# Altium PCB keyboard.PcbDoc (continued)
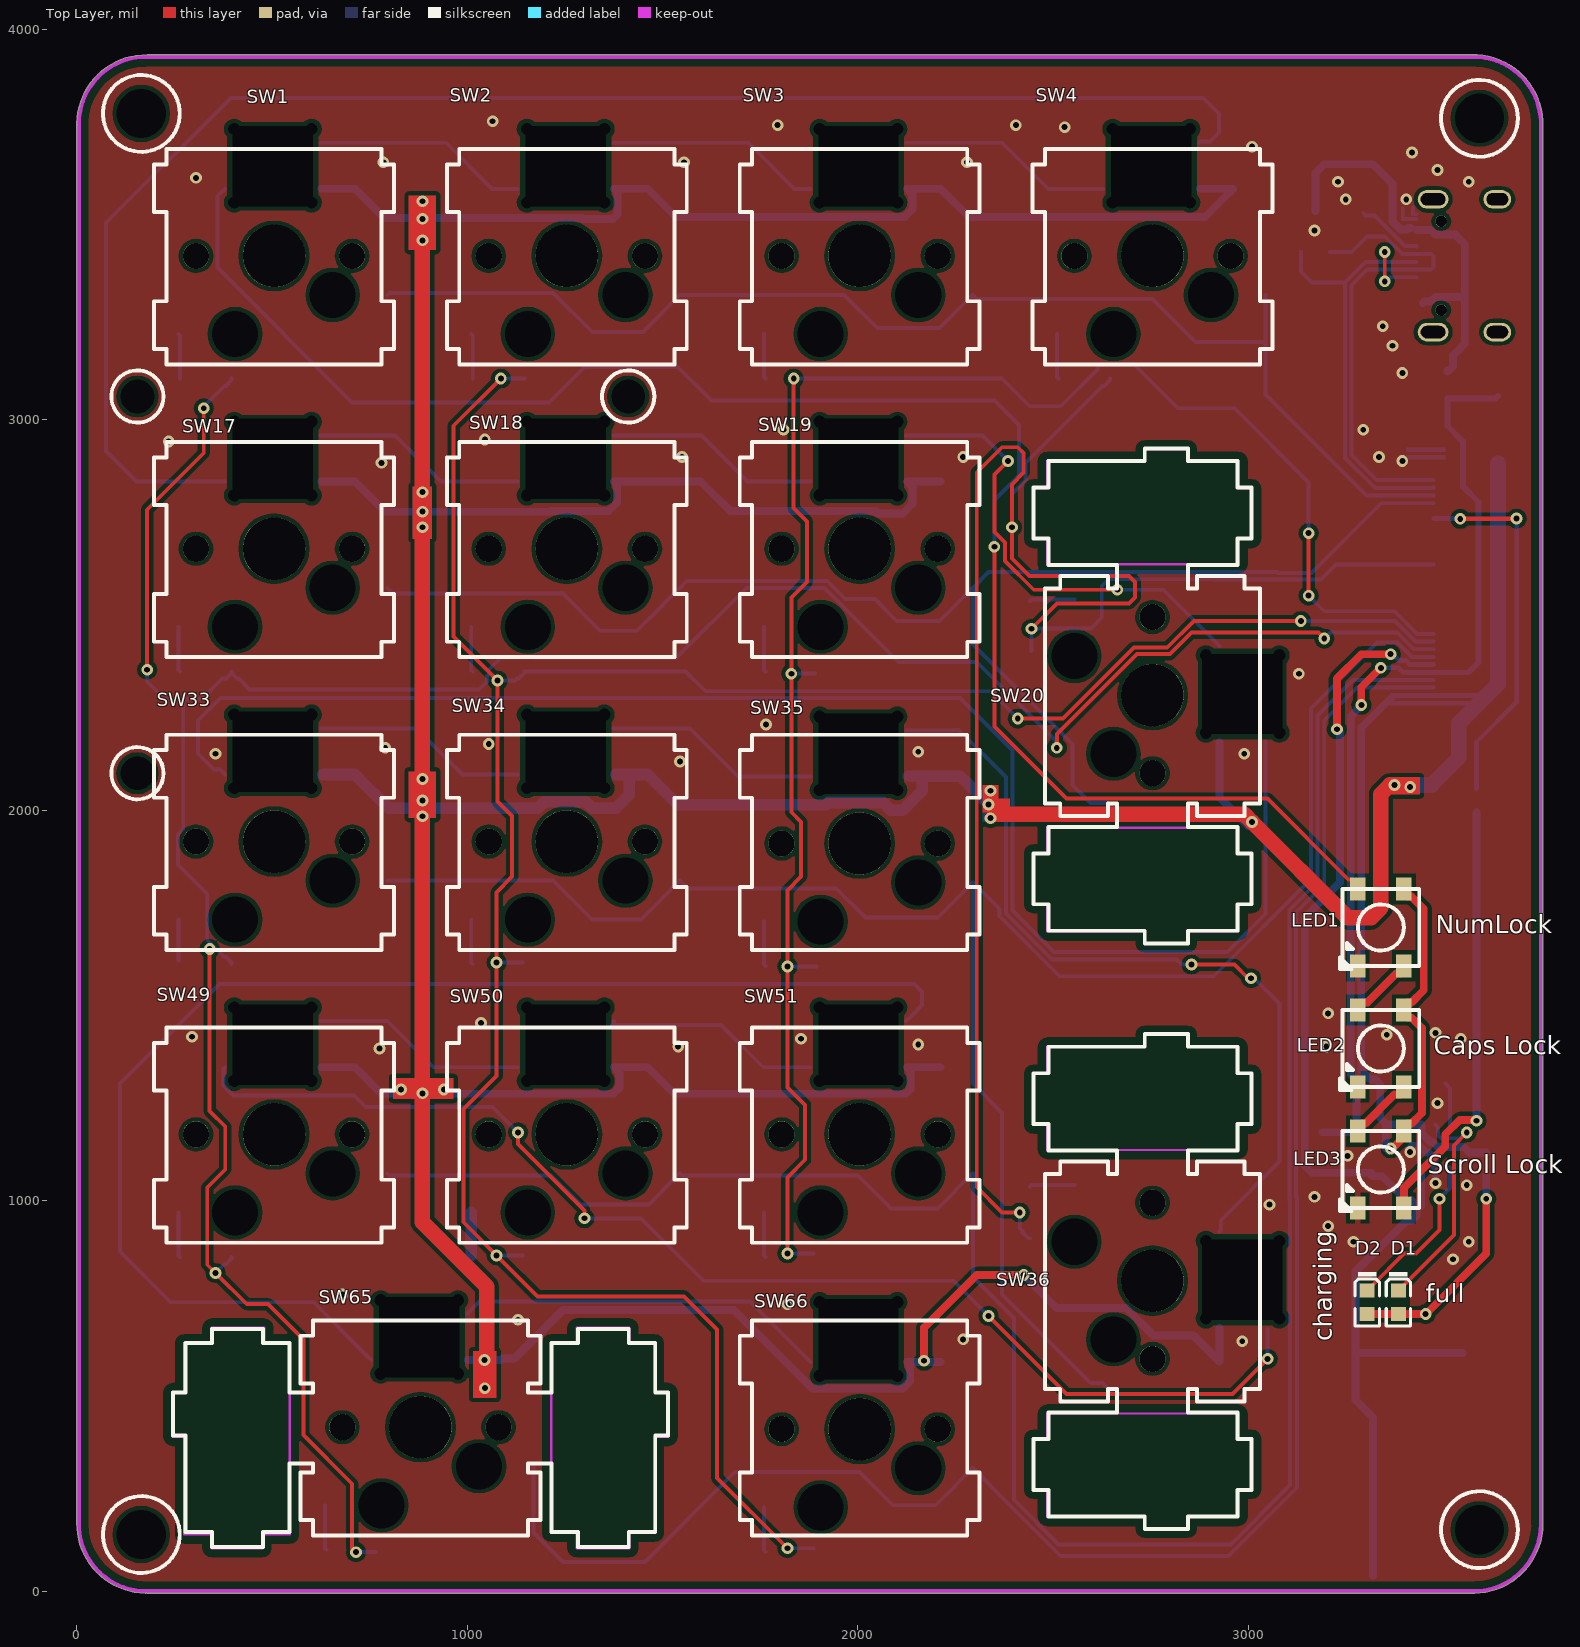
[diagram p0: Top Layer view]
## Part data
C1 C2: library part "1206 10uF (106) 10% 50V", "贴片电容", Package=1206, SuppliersPartNumber=C13585, ComponentLink1Description=¹©Ó, ComponentLink1URL=http://www.szlcsc.com/product/details_14236.html, Supplier=LC
D1: library part "0603 绿灯", "发光二极管", Package=0603, SuppliersPartNumber=C72043, ComponentLink1Description=¹©Ó, ComponentLink1URL=http://www.szlcsc.com/product/details_73152.html, Supplier=LC
D2: library part "0603 红灯", "发光二极管", Package=0603, SuppliersPartNumber=C2286, ComponentLink1Description=¹©Ó, ComponentLink1URL=http://www.szlcsc.com/product/details_2659.html, Supplier=LC
D3: "肖特基二极管", Manufacturer=VISHAY(威?, Part Number=RP02.06.000015, LatestRevisionDate=09-Feb-2017, LatestRevisionNote="SCHlib build", PackageDescription=SMB, Publisher=ChenYinaho
D6: "TVS阵列", Manufacturer=--, Part Number=RP02.15.000006, LatestRevisionDate=09-Feb-2017, LatestRevisionNote="SCHlib build", Manufacturer Part Number=SRV05-4, PackageDescription=SOT23-6, Publisher=ChenYinaho
F1: library part Fuse_500mA, "自恢复保险", Part Number=NEW, LatestRevisionDate=09-Feb-2017, LatestRevisionNote="SCHlib build", Publisher=ChenYinaho
FPC1: BOM_Manufacturer=JUSHUO, BOM_Manufacturer Part=AFC07-S36ECC-00, BOM_Supplier=LCSC, BOM_Supplier Part=C262254, Contributor=LCSC, spicePre=F
LED1 LED2 LED3: BOM_LCSC Assembly=Yes, BOM_Manufacturer=Worldsemi, BOM_Manufacturer Part=WS2812E, BOM_Supplier=LCSC, BOM_Supplier Part=C139127, Contributor=LCSC, SMT Type=Extend, spicePre=L
P1 P2: library part CON2T_90_1, "卧贴座 1.25/2p", Part Number=RP02.07.000177, LatestRevisionDate=09-Feb-2017, LatestRevisionNote="SCHlib build", Publisher=ChenYinaho
Q1: "MOS(场效应管)", Package=SOT-23, SuppliersPartNumber=C15127, ComponentLink1Description=¹©Ó, ComponentLink1URL=http://www.szlcsc.com/product/details_15801.html, Supplier=LC
R1: library part "0603 1.5KΩ (1501) 1%", "贴片电阻", Package=0603, SuppliersPartNumber=C22843, ComponentLink1Description=¹©Ó, ComponentLink1URL=http://www.szlcsc.com/product/details_23570.html, Supplier=LC
R2: library part "0603 200Ω (2000) 1%", "贴片电阻", Package=0603, SuppliersPartNumber=C8218, ComponentLink1Description=¹©Ó, ComponentLink1URL=http://www.szlcsc.com/product/details_8708.html, Supplier=LC
R3: library part "0603 1KΩ (1001) 1%", "贴片电阻", Package=0603, SuppliersPartNumber=C21190, ComponentLink1Description=¹©Ó, ComponentLink1URL=http://www.szlcsc.com/product/details_21904.html, Supplier=LC
R4: library part "0603 100Ω (1000) 1%", "贴片电阻", Package=0603, SuppliersPartNumber=C22775, ComponentLink1Description=¹©Ó, ComponentLink1URL=http://www.szlcsc.com/product/details_23502.html, Supplier=LC
R5: library part "0603 5.1KΩ (5101) 1%", "贴片电阻", Package=0603, SuppliersPartNumber=C23186, ComponentLink1Description=¹©Ó, ComponentLink1URL=http://www.szlcsc.com/product/details_23913.html, Supplier=LC
R6: library part "0603 10KΩ (1002) 1%", "贴片电阻", Package=0603, SuppliersPartNumber=C25804, ComponentLink1Description=¹©Ó, ComponentLink1URL=http://www.szlcsc.com/product/details_26547.html, Supplier=LC
SW1 SW2 SW3 SW4 SW17 SW18 SW19 SW20 SW33 SW34 SW35 SW36 SW49 SW50 SW51 SW65 SW66: library part MX_SW-6, "with Fixation pins  1-Pole w/Diode"
U1: BOM_LCSC Assembly=Yes, BOM_Manufacturer=TOPPOWER, BOM_Manufacturer Part=TP4057, BOM_Supplier=LCSC, BOM_Supplier Part=C12044, image=//image.lceda.cn/szlcsc/C12044.jpg, SMT Type=Basic, spicePre=U
USBC1: BOM_Manufacturer="Rectangular Connectors - Contacts", BOM_Manufacturer Part=TYPE-C-31-M-12, BOM_Supplier=LCSC, BOM_Supplier Part=C165948, Contributor=LCSC, spicePre=U

## Free pads (board coordinates)
  round 0 hole 86.61 unplated: hole(155,2095) hole(155,3060) hole(1412.2,3060)
  round 0 hole 125.98 unplated: hole(165,145) hole(165,3785) hole(3592.52,157.48) hole(3592.52,3772.52)

## Via types
v1: diameter 30, hole 15, Top Layer to Bottom Layer, tented both sides, 131 vias

## Nets (pads, with @x,y where several pads share a name; then routed paths per layer and width w, separated by ;. In a path a pad name is that pad's centre, name@x,y a point inside that pad or via, vN(x,y) a via of type N, cw(c..) or ccw(c..) an arc to the next point about the centre after c; other vN are vias at no path point)
col0: FPC1.27 SW1.4 SW17.4 SW33.4 SW49.4 SW65.4 | length 7330.4
  Top Layer w10: v1(180,2360) 180,2770 325,2915 v1(325,3030) ; v1(340,1645) 340,1230 380,1190 380,1080 333.94,1033.94 333.94,836.06 v1(355,815) 435,735 490,735 580,645 580,400 705,275 705,110 v1(715,100) ; v1(2510,2160) 2510,2195 2715,2400 2800,2400 2855,2455 3180,2455 v1(3195,2440)
  Bottom Layer w10: v1(180,2360) 180,2330 225,2285 272.5,2285 ; v1(325,3030) 325,3034.86 377.52,3087.38 381.46,3087.38 396.14,3102.06 SW1.4 ; v1(355,815) 355.14,815 377.52,837.38 381.46,837.38 396.14,852.06 SW49.4 ; SW33.4 396.14,1609.94 381.46,1624.62 377.52,1624.62 333.94,1668.2 333.94,1786.06 259.5,1860.5 259.5,1938.85 272.5,1951.85 272.5,2285 ; SW17.4 SW17.4@396.14,2352.06 ; v1(715,100) SW65.4@765.14,100 ; v1(2510,2160) 2510,2175 2305,2380 2105,2380 1915,2570 1715,2570 1535,2390 1172.42,2390 1170.8,2391.62 1086.62,2391.62 1055,2360 1055,2348.18 1050.5,2343.68 1050.5,2330.5 1030,2310 442.14,2310 414.76,2337.38 410.83,2337.38 SW17.4@396.14,2352.06 ; v1(3195,2440) 3195.86,2440 3210.86,2455 3381.92,2455 3424.32,2412.6 FPC1.27 ; 272.5,2285 320,2285 372.38,2337.38 381.46,2337.38 SW17.4@396.14,2352.06
col1: FPC1.26 SW2.4 SW18.4 SW34.4 SW50.4 SW66.4 | length 6566.4
  Top Layer w10: v1(1086,3106) 965,2985 965,2445 v1(1077.5,2332.5) 1077.5,2022.5 1115,1985 1115,1830 1075,1790 v1(1075,1610) 1075,1320 990,1235 990,945 v1(1075,860) 1180,755 1555,755 1640,670 1640,290 v1(1820,110) ; v1(2410,2235) 2525.96,2235 2707.96,2417 2792.96,2417 2860.96,2485 v1(3135,2485)
  Bottom Layer w10: v1(1075,860) SW50.4@1142.14,860 ; v1(1075,1610) SW34.4@1142.14,1610 ; v1(1077.5,2332.5) 1122.64,2332.5 1127.52,2337.38 1131.46,2337.38 SW18.4@1146.14,2352.06 ; v1(1086,3106) SW2.4 ; SW18.4 1559,2356 1610,2305 2340,2305 v1(2410,2235) ; v1(1820,110) SW66.4@1887.14,110 ; v1(3135,2485) 3375.96,2485 3428.66,2432.3 FPC1.26
col2: FPC1.25 SW3.4 SW19.4 SW35.4 SW51.4 | length 4707.5
  Top Layer w10: v1(1820,865) 1820,1060 1865,1105 1865,1245 1820,1290 v1(1820,1600) 1820,1795 1855,1830 1855,1970 1830,1995 v1(1830,2350) 1830,2545 1870,2585 1870,2740 1836,2774 v1(1836,3106) ; v1(3155,2550) v1(3155,2710)
  Bottom Layer w10: v1(1820,865) SW51.4@1887.14,865 ; v1(1820,1600) SW35.4@1895.14,1600 ; v1(1830,2350) SW19.4@1890.14,2350 ; v1(1836,3106) SW3.4 2369,3106 2440,3035 2520,3035 2614.46,3129.46 2614.46,3134.59 2621.49,3141.62 2708.38,3141.62 2820,3030 2965,3030 3155,2840 v1(3155,2710) ; v1(3155,2550) 3195,2510 3375,2510 3433,2452 FPC1.25
col3: FPC1.16 SW4.4 SW20.4 SW36.4 | length 4850.5
  Top Layer w10: v1(2415,970) 2370,970 2305,1035 2305,2865 2370,2930 2410,2930 2425,2915 2425,2865 2395,2835 v1(2395,2725) 2395,2645 2440,2600 2695,2600 2710,2585 2710,2545 2695,2530 2510,2530 v1(2445,2465)
  Bottom Layer w10: v1(2395,2725) 2395,2810 2430,2845 2430,2889.86 2627.52,3087.38 2631.46,3087.38 2646.14,3102.06 SW4.4 ; v1(2415,970) 2415,929.86 2422.38,922.48 2422.38,918.54 2437.06,903.86 SW36.4 ; SW20.4@2445,2407.86 v1(2445,2465) v1@2446.06,2465 ; v1@2446.06,2466.06 2597.44,2466.06 2625,2493.62 2625,2575 2642,2592 2913.87,2592 2914.87,2591 3186.74,2591 3224.94,2629.2 FPC1.16
col4: FPC1.17
col5: FPC1.18
col6: FPC1.19
col7: FPC1.20
col8: FPC1.21
col9: FPC1.22
col10: FPC1.24
col11: FPC1.23
col12: FPC1.15
col13: FPC1.14
col14: FPC1.13
col15: FPC1.12
GND: C1.1 C2.1 D6.2 FPC1.1 FPC1.2 LED1.3 LED2.3 LED3.3 P1.2 P2.2 R1.1 R5.1 R6.1 SW1.7 SW2.7 SW3.7 SW4.7 SW17.7 SW18.7 SW19.7 SW20.7 SW33.7 SW34.7 SW35.7 SW36.7 SW49.7 SW50.7 SW51.7 SW65.7 SW66.7 U1.2 USBC1.A1 USBC1.A12 USBC1.B1 USBC1.B12 | length 239.4
  Bottom Layer w10: 3396.13,3542.8 3396.13,3515.08 USBC1.B12 ; 3422.38,3545 3422.38,3526.89 USBC1.A1
  Bottom Layer w20: v1@3410,1130 3420,1140 3439.43,1140 3455.89,1123.54 3461.45,1123.54 3478.19,1106.8 3478.19,1086.69 U1.2 v1(3480,1045)
  other v1: 2985,640 2270,645 1130,695 1820,735 680,760 3525,850 3270,895 3565,895 3205,935 3055,990 3170,1010 3560,1040 3255,1115 3415,1125 3485,1250 775,1390 1540,1395 3200,1395 2155,1400 1855,1415 3545,1415 295,1420 3355,1425 3480,1430 1035,1455 3205,1480 1545,2125 355,2145 2990,2145 2155,2150 790,2160 1055,2170 1765,2220 3130,2350 780,2890 3395,2895 1550,2905 2270,2905 3335,2905 235,2945 1045,2950 1810,2975 3295,2975 3395,3120 3370,3190 3345,3240 3170,3485 3250,3565 3405,3565 3230,3610 3565,3610 305,3620 3485,3640 785,3660 1555,3660 2280,3660 3420,3685 3010,3700 2530,3750 1795,3755 2405,3755 1065,3765
NetD1_A: D1.A D2.A R3.2 | length 569
  Top Layer w20: D2.A D1.A v1(3454.68,709.68) 3610,865 v1(3610,1005)
  Bottom Layer w20: v1(3610,1005) R3.2
NetD1_K: D1.K U1.5 | length 590.7
  Top Layer w10: D1.K 3385.98,770.31 3399.29,783.62 3399.29,784.61 3527,912.31 3527,1142 v1(3560,1175)
  Bottom Layer w10: U1.5 3486.81,1188.31 3486.81,1167.47 3494.28,1160 3544.14,1160 3559.14,1175 v1(3560,1175)
NetD2_K: D2.K U1.1 | length 420.9
  Top Layer w10: D2.K 3305.98,770.31 3319.29,783.62 3319.29,784.61 3399.69,865 3430,865 3490,925 v1(3490,1005)
  Bottom Layer w10: v1(3490,1005) 3517.4,1032.4 U1.1
NetLED1_4: LED1.4 LED2.2 | length 176.5
  Top Layer w20: LED2.2 3280.95,1498.27 3290.63,1507.95 3305.43,1507.95 3379.52,1582.05 3389.37,1582.05 3399.05,1591.73 LED1.4
NetLED2_4: LED2.4 LED3.2 | length 176.5
  Top Layer w20: LED3.2 3280.95,1188.27 3290.63,1197.95 3300.48,1197.95 3374.57,1272.05 3389.37,1272.05 3399.05,1281.73 LED2.4
NetLED3_4: LED3.4 R4.1 | length 1118.2
  Top Layer w20: LED3.4 3399.05,1032.8 3505,1138.75 3505,1170 3542,1207 3573.25,1207 3573.34,1206.91 3583.09,1206.91 v1(3585,1205)
  Bottom Layer w20: v1(3585,1205) R4.1
NetR1_2: R1.2 R2.1 | length 70
  Bottom Layer w10: R2.1 R1.2
NetR2_2: R2.2 U1.6 | length 109.9
  Bottom Layer w10: R2.2 3517.4,1287.91 U1.6
NetR5_2: R5.2 USBC1.A5 | length 172.1
  Bottom Layer w10: R5.2 3301,3523.68 3323.43,3523.68 3402,3445.12 3430.82,3445.12 USBC1.A5
NetSW1_2: SW1.2 SW1.3 | length 115.6
  Bottom Layer w10: SW1.2 263.86,3216.14 SW1.3
NetSW1_6: SW1.6 SW2.8 | length 553.9
  Bottom Layer w10: SW1.6 945,3710 1063,3592 SW2.8
NetSW2_2: SW2.2 SW2.3 | length 115.6
  Bottom Layer w10: SW2.2 1013.86,3216.14 SW2.3
NetSW2_6: SW2.6 SW3.8 | length 553.9
  Bottom Layer w10: SW2.6 1720,3710 1838,3592 SW3.8
NetSW3_2: SW3.2 SW3.3 | length 115.6
  Bottom Layer w10: SW3.2 1760,3109.86 SW3.3
NetSW3_6: SW3.6 SW4.8 | length 553.9
  Bottom Layer w10: SW3.6 2370,3710 2488,3592 SW4.8
NetSW4_2: SW4.2 SW4.3 | length 115.6
  Bottom Layer w10: SW4.2 2510,3109.86 SW4.3
NetSW4_6: SW4.6 SW17.8 | length 4032.5
  Bottom Layer w10: SW17.8 153,2842 75,2920 75,3505 395,3825 2885,3825 2925.86,3784.14 2925.86,3735.86 2902.83,3712.83 2876.83,3712.83 SW4.6
NetSW17_2: SW17.2 SW17.3 | length 115.6
  Bottom Layer w10: SW17.2 260,2359.86 SW17.3
NetSW17_6: SW17.6 SW18.8 | length 553.9
  Bottom Layer w10: SW17.6 815,2960 933,2842 SW18.8
NetSW18_2: SW18.2 SW18.3 | length 115.6
  Bottom Layer w10: SW18.2 1010,2359.86 SW18.3
NetSW18_6: SW18.6 SW19.8 | length 553.9
  Bottom Layer w10: SW18.6 1600,2960 1718,2842 SW19.8
NetSW19_2: SW19.2 SW19.3 | length 115.6
  Bottom Layer w10: SW19.2 1760,2359.86 SW19.3
NetSW19_6: SW19.6 SW20.8 | length 1209.9
  Top Layer w10: v1(2385,2895) 2350,2860 2350,2713.18 2377,2686.18 2377,2638.96 2450.96,2565 v1(2665,2565)
  Bottom Layer w10: SW19.6 2320,2960 v1(2385,2895) ; v1(2665,2565) 2783,2565 2912.31,2435.69 SW20.8
NetSW20_2: SW20.2 SW20.3 | length 115.6
  Bottom Layer w10: SW20.3 2444.86,2540 SW20.2
NetSW20_6: SW20.6 SW33.8 | length 3926.4
  Bottom Layer w10: SW33.8 366.71,2104.29 350.71,2104.29 310,2145 310,2230 368,2288 2262,2288 2397,2153 2397,1743 2503,1637 2947,1637 3045,1735 SW20.6
NetSW33_2: SW33.2 SW33.3 | length 105
  Bottom Layer w10: SW33.3@260,1615 SW33.2
NetSW33_6: SW33.6 SW34.8 | length 553.9
  Bottom Layer w10: SW33.6 870,2210 988,2092 SW34.8
NetSW34_2: SW34.2 SW34.3 | length 115.6
  Bottom Layer w10: SW34.2 1010,1609.86 SW34.3
NetSW34_6: SW34.6 SW35.8 | length 555.9
  Bottom Layer w10: SW34.6 1570,2210 1693,2087 SW35.8
NetSW35_2: SW35.2 SW35.3 | length 115.6
  Bottom Layer w10: SW35.2 1760,1604.86 SW35.3
NetSW35_6: SW35.6 SW36.8 | length 2087.8
  Top Layer w10: v1(2855,1605) 2965,1605 v1@3000,1570
  Bottom Layer w10: SW35.6 2260,2205 2380,2085 2380,1735.96 2497.96,1618 2817,1618 2830,1605 v1@2845,1605 ; SW36.8 2929.83,923.83 2929.83,949.83 3080,1100 3080,1505 3015,1570 v1@3000,1570
  other v1: 3007.5,1570
NetSW36_2: SW36.2 SW36.3 | length 115.6
  Bottom Layer w10: SW36.3 2444.86,1040 SW36.2
NetSW36_6: SW36.6 SW49.8 | length 3192.8
  Top Layer w10: v1(1130,1175) 1130,1145 1300,975 v1(1300,955) ; v1(2335,705) 2535,505 2960,505 v1(3050,595)
  Bottom Layer w10: SW49.8 375.25,1338.25 375.25,1295.51 400.76,1270 710,1270 740,1240 1065,1240 v1(1130,1175) ; v1(1300,955) 1445,955 1605,795 2245,795 v1(2335,705) ; v1(3050,595) SW36.6@3050,671
NetSW49_2: SW49.2 SW49.3 | length 115.6
  Bottom Layer w10: SW49.2 260,859.86 SW49.3
NetSW49_6: SW49.6 SW50.8 | length 553.9
  Bottom Layer w10: SW49.6 795,1460 913,1342 SW50.8
NetSW50_2: SW50.2 SW50.3 | length 110.1
  Bottom Layer w30: SW50.3@1010,859.86 SW50.2
NetSW50_6: SW50.6 SW51.8 | length 565
  Bottom Layer w10: SW50.6 1374,1453.7 1370.3,1450 1650,1450 1758,1342 SW51.8
NetSW51_2: SW51.2 SW51.3 | length 115.6
  Bottom Layer w10: SW51.2 1760,859.86 SW51.3
NetSW51_6: SW51.6 SW65.8 | length 3450
  Bottom Layer w10: SW65.8 739.31,606.69 606,740 240,740 110,870 110,1300 365,1555 2145,1555 2165,1535 2165,1501 2138.69,1474.69 SW51.6
NetSW65_2: SW65.2 SW65.3 | length 115.6
  Bottom Layer w10: SW65.2 635,109.86 SW65.3
NetSW65_6: SW65.6 SW66.8 | length 957.5
  Bottom Layer w10: SW65.6 1031,742 1724,742 SW66.8
NetSW66_2: SW66.2 SW66.3 | length 115.6
  Bottom Layer w10: SW66.2 1760,104.86 SW66.3
PC0: FPC1.31 SW49.1 SW50.1 SW51.1 | length 5675.9
  Bottom Layer w10: SW49.1 800,1065 1215,1065 1290,990 1465,990 1499.8,1024.8 1499.8,1025.79 1544.02,1070 SW50.1 1550,1065 2000,1065 2085,980 2205,980 2249.8,1024.8 2249.8,1025.79 2294.02,1070 SW51.1 2295,805 2400,700 2400,234.04 2514.04,120 2955.96,120 3107.75,271.79 3107.75,1000.52 3106,1002.27 3106,1745.04 3178,1817.04 3178,2243 3268.9,2333.9 FPC1.31
PC1: FPC1.32 SW65.1 SW66.1 | length 4803.3
  Bottom Layer w10: SW65.1 1170,150 1245,75 1455,75 1685,305 2005,305 2090,220 2200,220 2249.8,269.8 2249.8,270.79 2294.02,315 SW66.1 2295.98,315 2340.2,270.79 2340.2,269.8 2520,90 2950,90 3124.75,264.75 3124.75,1007.56 3123,1009.31 3123,1738 3195,1810 3195,2230 3279.2,2314.2 FPC1.32
PC2: FPC1.35
PC3: FPC1.36
PC6: FPC1.28 SW33.1 SW34.1 SW35.1 SW36.1 | length 5053.6
  Bottom Layer w10: SW33.1 1220,1820 1320,1720 1445,1720 1499.8,1774.8 1499.8,1775.79 1544.02,1820 SW34.1 1565,1800 1945,1800 2020,1725 2205,1725 2249.8,1769.8 2249.8,1770.79 2294.02,1815 SW35.1 ; SW36.1 2626.65,533.35 2596.65,533.35 2370,760 2370,1225 2295,1300 SW35.1 ; FPC1.28 3419.93,2392.95 3382.88,2430 3330,2430 3161,2261 3161,1824.08 2911.92,1575 2516.92,1575 2363,1728.92 2363,1747.98 2295.98,1815 SW35.1
PC10: FPC1.8 SW17.1 SW18.1 SW19.1 SW20.1 | length 3688.9
  Bottom Layer w10: SW17.1 810,2555 1245,2555 1340,2460 1435,2460 1499.8,2524.8 1499.8,2525.79 1544.02,2570 SW18.1 1562,2587 1922.04,2587 1967.99,2541.06 2043.94,2541.06 2100,2485 2210,2485 2249.8,2524.8 2249.8,2525.79 2294.02,2570 SW19.1 ; SW20.1 2641.65,2018.35 2596.65,2018.35 2550,2065 2550,2170 2295,2425 SW19.1 ; FPC1.8 3340.69,2786.65 3162.04,2608 3077.02,2608 3075.02,2610 2335,2610 SW19.1
PC11: FPC1.7 SW1.1 SW2.1 SW3.1 SW4.1 | length 3246.5
  Bottom Layer w10: SW1.1 800,3325 1220,3325 1320,3225 1450,3225 1499.8,3274.8 1499.8,3275.79 1544.02,3320 SW2.1 1965,3320 2050,3235 2210,3235 2249.8,3274.8 2249.8,3275.79 2294.02,3320 SW3.1 2305,3310 2755,3310 2865,3200 3045,3200 ; SW4.1 3045,3200 ; FPC1.7 3303.7,2806.3 3045,3065 3045,3200
RGB: LED1.2 SW1.8 | length 4411.7
  Top Layer w10: v1(2350,2675) 2350,2215 2535,2030 3049.38,2030 3256.42,1822.95 3266.26,1822.95 3280.95,1808.27 LED1.2
  Bottom Layer w10: SW1.8 364.31,3577.32 360,3573 360,3390 705,3045 1210,3045 1300,3135 1540,3135 1625,3050 2350,3050 2413,2987 2413,2858 2350,2795 v1(2350,2675)
RGB_CTL: FPC1.10 R4.2 | length 946.5
  Top Layer w12: v1(3543.5,2746.5) 3686.9,2746.5 v1(3687.7,2747.3)
  Bottom Layer w12: FPC1.10 v1@3542.7,2747.3 ; R4.2 3585,2175 3687.7,2277.7 v1(3687.7,2747.3)
USB_DM: D6.1 FPC1.5 USBC1.A7 USBC1.B7 | length 1231.4
  Bottom Layer w10: D6.1 3265.51,3430.51 3305,3470 3350,3470 3395.47,3424.53 USBC1.B7 3469.14,3424.53 3475,3418.67 3475,3390.86 3469.14,3385 3431.88,3385 USBC1.A7 3431.56,3385 3305,3385 3265,3345 3265,2910 3329.3,2845.7 FPC1.5
USB_DP: D6.3 FPC1.6 USBC1.A6 USBC1.B6 | length 1269.2
  Top Layer w10: v1(3350,3355) v1(3350,3430)
  Bottom Layer w10: D6.3 3135.2,3379.8 3162.96,3352.04 3248,3352.04 ; v1(3350,3430) 3350,3404.84 ; v1@3355,3360 3360.47,3365.47 USBC1.B6 ; USBC1.A6 3350,3404.84 ; FPC1.6@3474.32,2826.91 FPC1.6 3324.96,2826 3323.16,2827.8 3248,2902.96 3248,3352.04 ; 3248,3352.04 3300.8,3404.84 3350,3404.84
VBAT: C2.2 FPC1.29 P1.1 P2.1 Q1.3 U1.3 | length 3306.3
  Top Layer w20: v1(3227.5,2207.5) 3227.5,2337.5 3290,2400 v1(3365,2400)
  Bottom Layer w12: v1(3365,2400) 3369.87,2400 3385.87,2384 3403.42,2384 3414.12,2373.3 FPC1.29
  Bottom Layer w20: v1(3227.5,2207.5) 3235,2200 3235,1815 3145,1725 3145,1090 3163.07,1071.93 Q1.3 ; 3280,610 P1.1 ; Q1.3@3315,1065.5 3317.8,1062.7 3343.63,1062.7 3405.91,1000.43 3419.09,1000.43 3431.34,988.19 C2.2 3431.34,961.81 3419.09,949.57 3405.91,949.57 3275,818.66 3275,610 3275,490 3320,445 P2.1@3320,40 ; C2.2@3442.6,986.26 U1.3
VBUS: D3.1 F1.1 FPC1.30 Q1.1 R6.2 | length 2329.8
  Top Layer w20: v1(3290,2270) 3290,2315 v1(3340,2365)
  Bottom Layer w12: v1(3340,2365) 3385,2365 3396.4,2353.6 FPC1.30
  Bottom Layer w15: 3566.57,2355 3590,2378.43 3590,2790 3550,2830 3550,2945 3510.83,2984.17 3510.83,3054.13 F1.1 3633.35,3054.96 D3.1
  Bottom Layer w20: R6.2 3263.09,1175.32 3263.21,1175.43 3274.8,1175.43 3277.6,1178.23 3277.6,1307.88 3263,1322.48 3263,2241.18 v1@3291.82,2270
VCC: C1.2 D3.2 FPC1.33 FPC1.34 LED1.1 LED2.1 LED3.1 Q1.2 R3.1 SW1.5 SW2.5 SW3.5 SW4.5 SW17.5 SW18.5 SW19.5 SW20.5 SW33.5 SW34.5 SW35.5 SW36.5 SW49.5 SW50.5 SW51.5 SW65.5 SW66.5 U1.4 | length 18821.2
  Top Layer w20: v1(2170,590) 2170,675 2305,810 v1(2425,810) ; v1(3365,1133.85) 3368.85,1133.85 3389.37,1154.36 3389.37,1168.74 LED3.1 3399.05,1188.27 3408.74,1197.95 3418.58,1197.95 3445,1224.38 3445,1442.48 3418.58,1468.9 3408.74,1468.9 3399.05,1478.58 LED2.1 3399.05,1498.27 3408.74,1507.95 3418.58,1507.95 3450,1539.38 3450,1747.48 3418.58,1778.9 3408.74,1778.9 3399.05,1788.58 LED1.1
  Top Layer w30: v1(1044,592) v1@1050,598
  Top Layer w40: v1(885,3515) v1(885,3460) v1(885,2815) v1(885,2765) v1(885,2725) v1(885,2080) v1(885,2025) v1(885,1985) v1(885,1275) 885,945 1050,780 v1@1050,598 ; 2360,1990 2990,1990 v1(3010,1970) 3255,1725 3315,1725 3340,1750 3340,2041.57 3363.43,2065 v1(3375,2065)
  Bottom Layer w20: SW49.5@626,1342 712,1342 712,1341.8 719.72,1334.09 719.91,1334.09 779.75,1274.25 1374.25,1274.25 1390,1290 1390,1328 1385.69,1332.31 1376,1342 1462,1342 1462,1341.8 1469.72,1334.09 1469.91,1334.09 1529.75,1274.25 2123.28,1274.25 2135,1285.97 2135,1333 2126,1342 SW51.5@2212,1342 ; SW33.5@626,2092 SW33.5@630.3,2092 ; SW17.5@626,2842 712,2842 712,2841.8 719.72,2834.09 719.91,2834.09 789,2765 v1(885,2765) 1212.82,2765 1214.82,2767 1362,2767 1383.75,2788.75 1383.75,2834.25 1376,2842 1462,2842 1598,2842 1673,2767 2045.18,2767 2052.18,2760 2115,2760 2140,2785 2140,2828 2135.69,2832.31 2126,2842 SW19.5@2212,2842 ; SW1.5@626,3592 712,3592 712,3591.8 719.72,3584.09 719.91,3584.09 787,3517 1295.18,3517 1297.18,3515 1373.28,3515 1385,3526.72 1385,3583 1376,3592 1462,3592 1462,3591.8 1469.72,3584.09 1469.91,3584.09 1534,3520 2120,3520 2140,3540 2140,3578 2135.69,3582.31 2126,3592 2212,3592 2212,3591.8 2219.72,3584.09 2219.91,3584.09 2284,3520 2890,3520 2954.09,3584.09 2954.28,3584.09 2962,3591.8 2962,3592 SW4.5@2876,3592 ; SW33.5@712,2091.8 SW33.5@712,2092 ; SW65.5@1001,592 v1(1044,592) 1087,592 1091.03,596.03 1121.03,596.03 1245,720 1682.59,720 1883.34,519.25 2114.56,519.25 2133.75,538.44 2133.75,579.25 2126,587 SW66.5@2212,587 ; v1(2425,810) 2510,725 2687.82,725 2757.82,655 2860,655 2919.09,595.91 2919.09,595.72 2926.8,588 2927,588 SW36.5@2927,674 ; SW20.5@2927,2174 2927,2088 2927,2033 3000,1960 v1(3010,1970) ; Q1.2 3352.4,1135.3 3360,1127.71 3365,1132.71 v1(3365,1133.85) ; 3369.09,2290.91 3290,2211.82 3290,1333.66 3313.23,1310.43 3326.42,1310.43 3338.66,1298.19 C1.2 3338.66,1211.65 3352.4,1197.91 3352.4,1192.32 3355.2,1195.12 U1.4 3444.41,1193.31 3444.41,1173.2 3467.08,1150.54 3472.63,1150.54 3485.17,1138 3552,1138 3566.46,1123.54 R3.1@3610,1123.54
  Bottom Layer w30: SW33.5@630.3,2092 711.8,2092 712,2091.8 719.72,2084.09 719.91,2084.09 799,2005 875,2005 ; 890,2010 895,2005 1180,2005 1197,2022 1303,2022 1320,2005 1380,2005 1415,2040 1415,2092 ; SW34.5@1380.3,2092 1415,2092 ; SW35.5@2130.3,2087 2165,2087 ; v1@2335,2010 v1(2335,2015) 2263,2087 2212,2087 2165,2087 ; 1415,2092 1462,2092 1462,2091.8 1469.72,2084.09 1469.91,2084.09 1539.75,2014.25 1918.64,2014.25 1924.38,2020 2065,2020 2085,2000 2115,2000 2165,2050 2165,2087
  Bottom Layer w40: v1(3375,2065) 3470,2065 3540,2135 3540,2223 3605,2288 3640,2323 D3.2
  other v1: 1045,520 830,1285 940,1285 2340,1980 2340,2050 3415,2060 885,3560
Vtypec: D6.5 F1.2 USBC1.A4 USBC1.A9 USBC1.B4 USBC1.B9 | length 1077.5
  Bottom Layer w20: D6.5 3172.4,3632.4 3195,3655 3320,3655 3370,3605 3370,3508.23 3390.32,3487.91 3406.89,3487.91 3410.28,3491.3 USBC1.A4@3416.13,3491.3 ; USBC1.B9@3431.72,3486.81 3468.19,3486.81 3480,3475 3530,3475 3555,3450 3555,3310 ; USBC1.A9@3447.31,3298.69 3451.81,3303.19 3464.36,3303.19 3465.58,3304.42 3469.42,3304.42 3480,3315 3550,3315 3555,3310 ; F1.2 3511.78,3125.04 3524.62,3137.87 3524.62,3164.62 3555,3195 3555,3310
pads on no net: D6.4 D6.6 FPC1.3 FPC1.4 FPC1.9 FPC1.11 FPC1.37 FPC1.38 P1.0 P2.0 SW1. SW1.0 SW2. SW2.0 SW3. SW3.0 SW4. SW4.0 SW17. SW17.0 SW18. SW18.0 SW19. SW19.0 SW20. SW20.0 SW33. SW33.0 SW34. SW34.0 SW35. SW35.0 SW36. SW36.0 SW49. SW49.0 SW50. SW50.0 SW51. SW51.0 SW65. SW65.0 SW66. SW66.0 SW66.6 USBC1. USBC1.0 USBC1.A8 USBC1.B5 USBC1.B8

## Polygon pours and split planes (outlines as drawn)
GND on Top Layer "GND_L01_P000" (solid, remove dead copper, pour order 0): 3865,4020 -190,4020 -190,-115 3865,-115
GND on Bottom Layer "GND_L02_P002" (solid, remove dead copper, pour order 2): 3865,4020 -190,4020 -190,-115 3865,-115

## Keep-outs
Keep-Out Layer:
  lines w6: 245,395 275,395 275,145 345,145 345,110 475,110 475,145 545,145 545,635 480,635 480,675 345,675 345,635 275,635 275,510 245,510 245,395 ; 1215,150 1280,150 1280,110 1415,110 1415,150 1480,150 1480,395 1515,395 1515,510 1480,510 1480,635 1415,635 1415,675 1280,675 1280,635 1215,635 1215,150 ; 2450,260 2450,390 2485,390 2485,455 2975,455 2975,390 3010,390 3010,260 2975,260 2975,190 2845,190 2845,160 2735,160 2735,190 2485,190 2485,260 2450,260 ; 2450,1195 2450,1325 2485,1325 2485,1395 2735,1395 2735,1425 2845,1425 2845,1395 2975,1395 2975,1325 3010,1325 3010,1195 2975,1195 2975,1130 2485,1130 2485,1195 2450,1195 ; 2450,1760 2485,1760 2485,1690 2735,1690 2735,1660 2845,1660 2845,1690 2975,1690 2975,1760 3010,1760 3010,1890 2975,1890 2975,1955 2485,1955 2485,1890 2450,1890 2450,1760 ; 2450,2695 2485,2695 2485,2630 2975,2630 2975,2695 3010,2695 3010,2825 2975,2825 2975,2895 2845,2895 2845,2925 2735,2925 2735,2895 2485,2895 2485,2825 2450,2825 2450,2695
  lines w10: 5,3755 5,175 ccw(c177.5,172.5) 175,0 ; 5,3760 cw(c177.5,3757.5) 180,3930 3585,3930 ; 180,0 3580,0 ; 3575,0 ccw(c3577.5,172.5) 3750,170 3750,3765 ; 3580,3930 cw(c3577.5,3757.5) 3750,3755

## Other copper
Top Layer:
  rectangle net VCC: 2330,1970 2390,2030
  rectangle net VCC: 1015,495 1075,615
  rectangle net VCC: 810,1260 965,1315
  rectangle net VCC: 860,2695 910,2830
  rectangle net VCC: 850,3435 920,3575
  rectangle net VCC: 850,1980 920,2100
  rectangle net VCC: 2320,1995 2360,2065
  rectangle net VCC: 3365,2040 3440,2085
Bottom Layer:
  rectangle net GND: 3405,2917.95 3505,2929.95
  rectangle net GND: 3405,2898.3 3505,2910.3
  rectangle net VCC: 1025,495 1065.5,592
  rectangle net VCC: 810,1270 965,1315
  rectangle net VCC: 860,2700 910,2830
  rectangle net VCC: 850,3435 920,3575
  rectangle net VCC: 850,1980 920,2100
  rectangle net VCC: 2320,1970 2360,2065
  rectangle net VBUS: 3405,2347.1 3566.57,2359.1
  rectangle net VCC: 3350,2268.3 3605,2280.3
  rectangle net VCC: 3369.09,2288 3605,2300
  pour cut-out: 3435,2940 3435,2890 3515,2890 3515,2940

## Silkscreen, mask and mechanical layers (free items; w line width, h text height)
Top Overlay:
  drawing of 467 lines, arcs and shapes, not listed
  text "NumLock" at 3480,1670 h80
  text "Caps Lock" at 3475,1360 h80
  text "Scroll Lock" at 3460,1055 h80
  text "full" at 3455,725 h80
  text "charging" at 3230,640 h80 r90
Bottom Overlay:
  lines w6: 61.53,3029.35 cw(c174.69,3026.84) 177.2,3140 1617.88,3140 ; 62.2,3029.35 62.2,2130 ccw(c175.37,2127.49) 172.85,2014.32 ; 172.85,2015 1612.2,2015 ccw(c1614.72,2128.16) 1727.88,2125.65 ; 1617.22,3140.66 cw(c1614.7,3027.5) 1727.87,3024.99 1727.87,2125.65
  text "-" at 3510,685 h100
  text "+" at 3480,540 h100
  text "Battery" at 3730,380 h80
  text "-" at 3090,100 h100
  text "Battery" at 3175,40 h80
  text "+" at 3455,35 h100
Mechanical 1:
  lines w10: 5,3755 5,175 ccw(c177.5,172.5) 175,0 ; 5,3760 cw(c177.5,3757.5) 180,3930 3585,3930 ; 180,0 3580,0 ; 3575,0 ccw(c3577.5,172.5) 3750,170 3750,3765 ; 3580,3930 cw(c3577.5,3757.5) 3750,3755
Drill Drawing:
  drawing of 256 lines, arcs and shapes, not listed
  text "Symbol" at 4372.5,5368.94 h72
  text "Count" at 4878.38,5368.94 h72
  text "Hole Size" at 5468.22,5368.94 h72
  text "Plated" at 6627.88,5368.94 h72
  text "Hole Type" at 7133.76,5368.94 h72
  text "Drill Layer Pair" at 7867.56,5368.94 h72
  text "Via/Pad" at 9367.11,5368.94 h72
  text "Pad Shape" at 9956.96,5368.94 h72
  text "Template" at 10702.76,5368.94 h72
  text "Description" at 12102.34,5368.94 h72
  text "Hole Tolerance (+)" at 12956.1,5368.94 h72
  text "Hole Tolerance (-)" at 14289.71,5368.94 h72
  text "Hole Length" at 15623.32,5368.94 h72
  text "Routed Path Length" at 16772.98,5368.94 h72
  text "1" at 4878.38,5218.94 h60
  text "31.50mil (0.800mm)" at 5468.22,5218.94 h60
  text "NPTH" at 6627.88,5218.94 h60
  text "Slot" at 7133.76,5218.94 h60
  text "Top Layer - Bottom Layer" at 7867.56,5218.94 h60
  text "Pad" at 9367.11,5218.94 h60
  text "Rounded" at 9956.96,5218.94 h60
  text "r120_200hn80_160r100(1)" at 10702.76,5218.94 h60
  text "62.99mil (1.600mm)" at 15623.32,5218.94 h60
  text "31.50mil (0.800mm)" at 16772.98,5218.94 h60
  text "A" at 4343.41,5208.95 h66.67
  text "1" at 4878.38,5068.94 h60
  text "31.50mil (0.800mm)" at 5468.22,5068.94 h60
  text "NPTH" at 6627.88,5068.94 h60
  text "Slot" at 7133.76,5068.94 h60
  text "Top Layer - Bottom Layer" at 7867.56,5068.94 h60
  text "Pad" at 9367.11,5068.94 h60
  text "Rounded" at 9956.96,5068.94 h60
  text "r120_200hn80_160r100" at 10702.76,5068.94 h60
  text "62.99mil (1.600mm)" at 15623.32,5068.94 h60
  text "31.50mil (0.800mm)" at 16772.98,5068.94 h60
  text "B" at 4343.41,5058.95 h66.67
  text "2" at 4878.38,4918.94 h60
  text "29.53mil (0.750mm)" at 5468.22,4918.94 h60
  text "NPTH" at 6627.88,4918.94 h60
  text "Round" at 7133.76,4918.94 h60
  text "Top Layer - Bottom Layer" at 7867.56,4918.94 h60
  text "Pad" at 9367.11,4918.94 h60
  text "Rounded" at 9956.96,4918.94 h60
  text "c75hn75" at 10702.76,4918.94 h60
  text "-" at 15623.32,4918.94 h60
  text "-" at 16772.98,4918.94 h60
  text "2" at 4878.38,4768.94 h60
  text "31.50mil (0.800mm)" at 5468.22,4768.94 h60
  text "NPTH" at 6627.88,4768.94 h60
  text "Slot" at 7133.76,4768.94 h60
  text "Top Layer - Bottom Layer" at 7867.56,4768.94 h60
  text "Pad" at 9367.11,4768.94 h60
  text "Rounded" at 9956.96,4768.94 h60
  text "r120_180hn80_140r100" at 10702.76,4768.94 h60
  text "55.12mil (1.400mm)" at 15623.32,4768.94 h60
  text "23.62mil (0.600mm)" at 16772.98,4768.94 h60
  text "3" at 4878.38,4618.94 h60
  text "86.61mil (2.200mm)" at 5468.22,4618.94 h60
  text "NPTH" at 6627.88,4618.94 h60
  text "Round" at 7133.76,4618.94 h60
  text "Top Layer - Bottom Layer" at 7867.56,4618.94 h60
  text "Pad" at 9367.11,4618.94 h60
  text "Rounded" at 9956.96,4618.94 h60
  text "c0hn220" at 10702.76,4618.94 h60
  text "-" at 15623.32,4618.94 h60
  text "-" at 16772.98,4618.94 h60
  text "4" at 4878.38,4468.94 h60
  text "125.98mil (3.200mm)" at 5468.22,4468.94 h60
  text "NPTH" at 6627.88,4468.94 h60
  text "Round" at 7133.76,4468.94 h60
  text "Top Layer - Bottom Layer" at 7867.56,4468.94 h60
  text "Pad" at 9367.11,4468.94 h60
  text "Rounded" at 9956.96,4468.94 h60
  text "c0hn320" at 10702.76,4468.94 h60
  text "-" at 15623.32,4468.94 h60
  text "-" at 16772.98,4468.94 h60
  text "17" at 4878.38,4318.94 h60
  text "160.00mil (4.064mm)" at 5468.22,4318.94 h60
  text "NPTH" at 6627.88,4318.94 h60
  text "Round" at 7133.76,4318.94 h60
  text "Top Layer - Bottom Layer" at 7867.56,4318.94 h60
  text "Pad" at 9367.11,4318.94 h60
  text "Rounded" at 9956.96,4318.94 h60
  text "c406hn406" at 10702.76,4318.94 h60
  text "-" at 15623.32,4318.94 h60
  text "-" at 16772.98,4318.94 h60
  text "17" at 4878.38,4168.94 h60
  text "204.72mil (5.200mm)" at 5468.22,4168.94 h60
  text "NPTH" at 6627.88,4168.94 h60
  text "Rectangle" at 7133.76,4168.94 h60
  text "Top Layer - Bottom Layer" at 7867.56,4168.94 h60
  text "Pad" at 9367.11,4168.94 h60
  text "Rectangle" at 9956.96,4168.94 h60
  text "s0hn520_540" at 10702.76,4168.94 h60
  text "212.60mil (5.400mm)" at 15623.32,4168.94 h60
  text "212.60mil (5.400mm)" at 16772.98,4168.94 h60
  text "34" at 4878.38,4018.94 h60
  text "67.00mil (1.702mm)" at 5468.22,4018.94 h60
  text "NPTH" at 6627.88,4018.94 h60
  text "Round" at 7133.76,4018.94 h60
  text "Top Layer - Bottom Layer" at 7867.56,4018.94 h60
  text "Pad" at 9367.11,4018.94 h60
  text "Rounded" at 9956.96,4018.94 h60
  text "c170hn170" at 10702.76,4018.94 h60
  text "-" at 15623.32,4018.94 h60
  text "-" at 16772.98,4018.94 h60
  text "34" at 4878.38,3868.94 h60
  text "118.11mil (3.000mm)" at 5468.22,3868.94 h60
  text "NPTH" at 6627.88,3868.94 h60
  text "Round" at 7133.76,3868.94 h60
  text "Top Layer - Bottom Layer" at 7867.56,3868.94 h60
  text "Pad" at 9367.11,3868.94 h60
  text "Rounded" at 9956.96,3868.94 h60
  text "c0hn300" at 10702.76,3868.94 h60
  text "-" at 15623.32,3868.94 h60
  text "-" at 16772.98,3868.94 h60
  text "68" at 4878.38,3718.94 h60
  text "31.50mil (0.800mm)" at 5468.22,3718.94 h60
  text "NPTH" at 6627.88,3718.94 h60
  text "Round" at 7133.76,3718.94 h60
  text "Top Layer - Bottom Layer" at 7867.56,3718.94 h60
  text "Pad" at 9367.11,3718.94 h60
  text "Rounded" at 9956.96,3718.94 h60
  text "c0hn80" at 10702.76,3718.94 h60
  text "-" at 15623.32,3718.94 h60
  text "-" at 16772.98,3718.94 h60
  text "131" at 4878.38,3568.94 h60
  text "15.00mil (0.381mm)" at 5468.22,3568.94 h60
  text "PTH" at 6627.88,3568.94 h60
  text "Round" at 7133.76,3568.94 h60
  text "Top Layer - Bottom Layer" at 7867.56,3568.94 h60
  text "Via" at 9367.11,3568.94 h60
  text "Rounded" at 9956.96,3568.94 h60
  text "v76h38m0mx0" at 10702.76,3568.94 h60
  text "-" at 15623.32,3568.94 h60
  text "-" at 16772.98,3568.94 h60
  text "314 Total" at 4878.38,3418.94 h60
  text "Slot definitions :" at 4372.5,3273.97 h60
  text "Routed Path Length" at 5405.19,3273.97 h60
  text "= Calculated from tool start centre position to tool end centre position." at 6507.86,3273.97 h60
  text "Hole Length" at 5405.19,3173.99 h60
  text "= Routed Path Length + Tool Size = Slot length as defined in the PCB layout" at 6097.99,3173.99 h60